# KiCad board Inkplate10_Soldered_panel.kicad_pcb (continued)
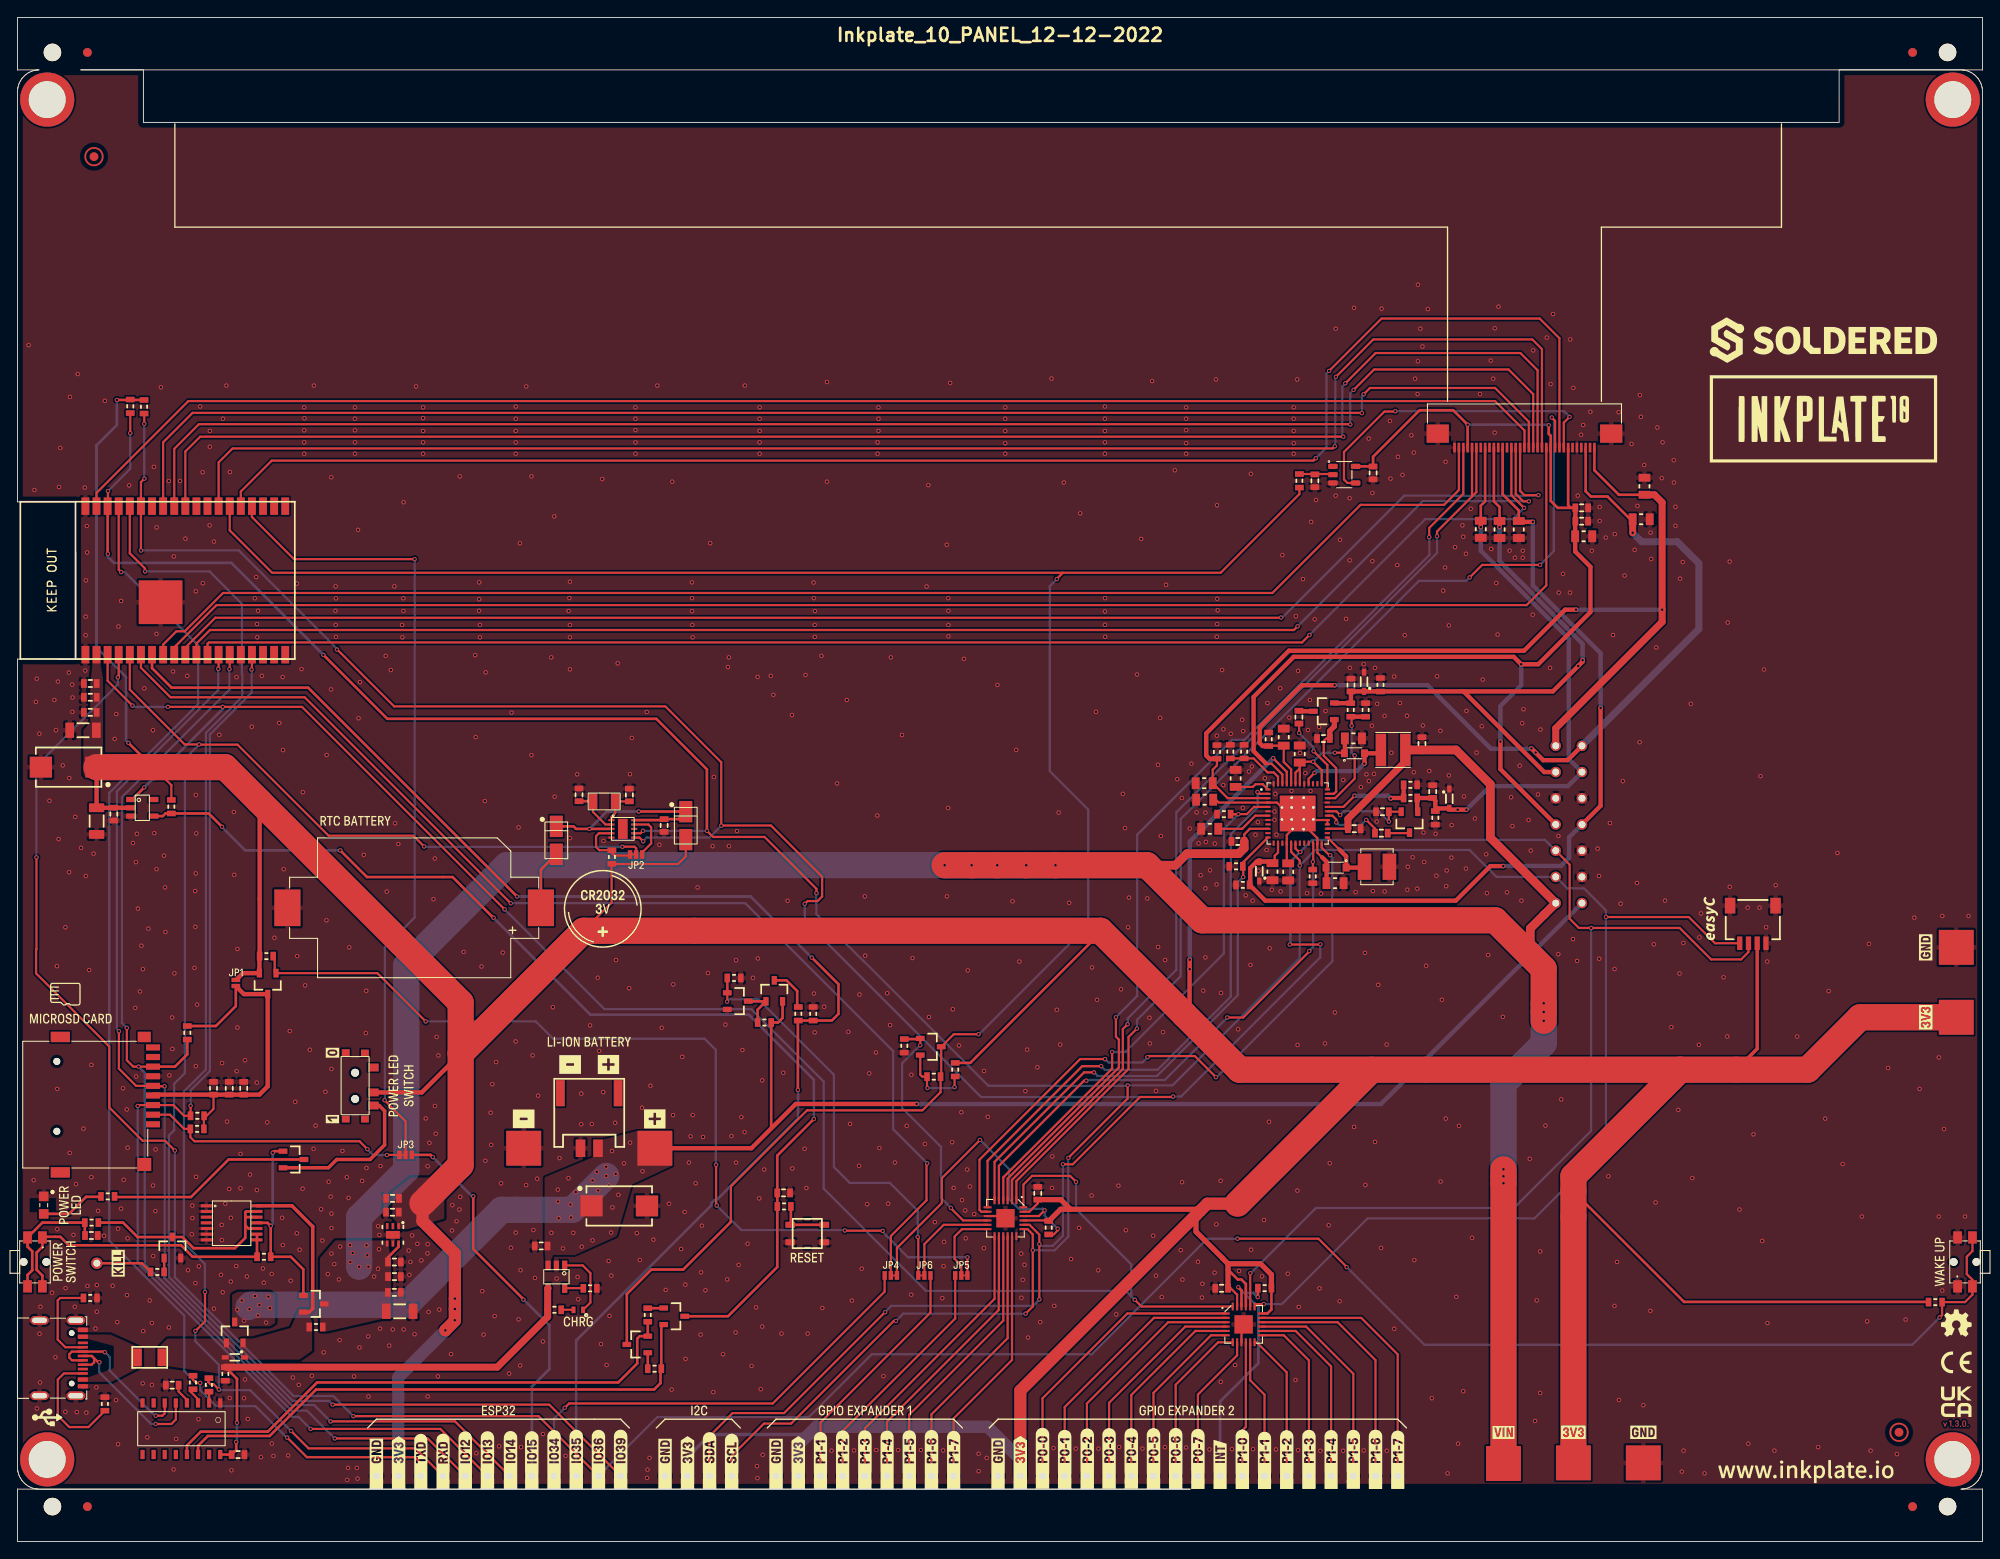
[diagram p0: board, top side]
## Routing (per net, layer and track width the routed paths; a pad name or vN(x,y) marks a point on that pad's centre or on a via; arc(x,y) is an arc through that point) (continued)
Board_0-GPIO15: length 45.5
  Top w0.3: v1(57.88,27.68) 57.88,27.73 52.14,33.47 v1(52.14,39.51) ; v1(47.51,44) 47.26,44.25 JP3.3
  Bottom w0.3: v1(47.51,44) 52,39.51 v1(52.14,39.51) ; K38.1 58.84,17.73 60.85,19.74 60.85,24.76 57.93,27.68 v1(57.88,27.68)
Board_0-GPIO_0: length 255.9
  Top w0.254: U10.25 24.28,115.72 29.13,110.87 119.6,110.87 ; 81.61,36.67 81.61,40.63 90.33,49.35 103.53,49.35 105.6,51.42 R21.1 105.68,53.28 Q1.3 107.11,58.06 v1(109.94,58.06) ; 119.6,110.87 137.65,110.87 146.65,119.88 R46.1 ; 119.6,110.87 118.9,110.18 v1(118.9,110.15)
  Top w0.3: Q3.3 69.71,28.32 72.51,31.13 76.16,31.13 81.61,36.58 81.61,36.67 ; 105.63,53.23 R21.1
  Bottom w0.254: v1(118.9,110.15) 118.09,109.34 118.09,88.17 122.5,83.76 122.5,70.54 110.02,58.06 v1(109.94,58.06)
Board_0-GPIO_0_MOSFET: length 29.2
  Top w0.254: v1(106.78,38.19) 106.78,38.14 108.18,36.75 U9.10 ; v1(103.28,56.8) Q1.1
  Top w0.3: R19.2 103.21,57.5 Q1.1
  Bottom w0.254: v1(103.28,56.8) 101.2,54.72 101.2,49.62 105.65,45.17 105.65,39.32 v1(106.78,38.19)
Board_0-GPIO_36: length 324.9
  Top w0.254: v1(139.57,34.66) 148.83,34.66 152.06,31.43 v1(152.06,31.4) ; K37.1 59.61,14.35 v1(38.43,14.35) ; U10.4 11.58,99 v1(11.47,98.9) ; SW3.2 223.65,33.25 223,32.6 223,30.6 223.65,29.95 SW3.2 223.65,28.25 222.8,27.4 R41.1 220.18,25.92 v1(219.89,25.64) ; v1(18,44.75) 16.88,45.87 14.3,45.87 10.5,49.67 10.5,56.65 2.13,65.02 2.13,67.75 2.17,67.79 v1(2.17,78.3)
  Bottom w0.254: v1(152.06,31.4) 160.94,22.52 216.78,22.52 v1(219.89,25.64) ; v1(11.47,98.9) 11.47,98.07 2.17,88.77 v1(2.17,78.3) ; v1(18,44.75) 18,30.24 31.59,16.65 36.13,16.65 v1(38.43,14.35) ; K37.1 73.21,14.25 90.55,14.25 97.73,21.42 122.89,21.42 136.12,34.66 v1(139.57,34.66)
Board_0-GPIO_39: length 193.4
  Top w0.254: v1(36.06,15.67) 60.83,15.67 K36.1 ; U10.5 12.85,97.5 19.13,91.22 v1(20.78,91.22) 20.8,91.2 25.17,91.2 35.59,80.78 45.29,80.78 v1(46.52,79.55) ; v1(69.2,79.52) 70.59,79.52 70.78,79.33 70.78,78.88
  Bottom w0.254: v1(36.06,15.67) 35.64,16.09 31.51,16.09 17.32,30.28 17.32,46.48 17.93,47.09 17.93,52.39 19.15,53.61 19.15,89.6 v1(20.78,91.22) ; v1(46.52,79.55) 46.56,79.51 69.19,79.51 v1(69.2,79.52)
Board_0-I2C_SCL: length 421.1
  Top w0.254: v1(127,52.2) 127,50.7 120.22,43.92 v1(120.22,43.9) ; v1(142.58,27.17) 141.8,27.17 U11.19 ; v1(91.4,74.2) 91.4,74.7 85.46,80.64 79.57,80.64 v1(78.88,81.33) ; U10.36 10.35,118.54 v1(10.35,120.22) ; U7.7 71.28,81.06 v1(71.56,81.34) ; U1.17 145.71,78.93 146.69,77.95 v1(146.69,77.37) ; v1(100.5,25.25) 100.25,25.25 88.5,13.5 85.4,13.5 81.7,9.8 K6.1 ; U9.19 115.55,35.75 116.15,35.15 v1(116.15,33.32) 116.15,26.9 v1(115.33,26.08) ; K3.1 194.2,68.47 191.21,71.47 181.74,71.47 v1(181.72,71.49) ; R1.1 v1(12.9,126.85)
  Top w0.3: v1(10.34,113.05) 10.31,113.08 U10.36 ; v1(35,101.47) 42.31,94.16 73.09,94.16 78.87,88.38 78.87,81.34 v1(78.88,81.33)
  Bottom w0.254: v1(71.56,81.34) 75.63,81.34 75.64,81.33 v1(78.88,81.33) ; v1(91.4,74.2) 91.4,71.81 96.74,66.47 96.76,66.47 111.07,52.16 126.96,52.16 v1(127,52.2) 132.13,52.2 146.68,66.75 146.68,77.35 v1(146.69,77.37) 148.47,79.15 166.13,79.15 169.21,76.06 K1.6 177.29,74.75 179.2,74.75 181.72,72.23 181.72,45.17 173.53,36.97 154.45,36.97 144.65,27.17 v1(142.58,27.17) ; v1(12.9,126.85) 12.9,122.77 v1(10.35,120.22) ; v1(100.5,25.25) 101.33,26.08 v1(115.33,26.08) ; v1(120.22,43.9) 120.22,34.89 118.65,33.32 v1(116.15,33.32)
  Bottom w0.3: v1(10.34,113.05) 10.34,112.69 11.03,112 24.47,112 v1(35,101.47)
Board_0-I2C_SDA: length 443.4
  Top w0.254: U11.20 141.03,30.69 v1(141.04,30.71) ; v1(146.75,78.92) 146.61,78.92 146.21,79.32 U1.18 ; v1(71.58,80.14) 71.16,80.56 U7.6 ; K1.5 177.57,77.47 177.57,71.28 178.63,70.22 v1(180.03,70.22) 190.16,70.22 193.76,66.62 197.18,66.62 198.03,67.46 K3.2 ; v1(145.55,68.32) 149.03,68.32 v1(149.05,68.35) ; U9.20 115.78,36.25 116.9,35.12 v1(116.9,34.02) v1(116.9,27.7) ; v1(90.06,72.98) 90.38,73.3 91.53,73.3 92.05,73.82 92.05,76.09 86.19,81.95 80.54,81.95 v1(80.52,81.93) 80.51,81.94 80.51,89.19 74.12,95.58 43.09,95.58 36.59,102.08 v1(36.54,102.08) ; v1(14.13,113.42) 14.12,113.43 U10.33 14.12,121.24 v1(14.53,121.65) ; K7.1 79.16,12.06 81.8,14.7 87.7,14.7 v1(99.25,26.25) ; R4.1 14.5,129.07 v1(14.5,127.92) ; v1(119.6,43.17) 120.73,43.17 128.43,50.88 132.16,50.88 v1(132.21,50.93)
  Bottom w0.254: v1(80.52,81.93) 79.16,80.57 72.01,80.57 v1(71.58,80.14) ; v1(36.54,102.08) 36.54,102.21 25.32,113.43 14.15,113.43 14.14,113.42 ; v1(116.9,34.02) 117.08,33.85 118.45,33.85 119.6,35 v1(119.6,43.17) ; v1(141.04,30.71) 141.09,30.71 148.55,38.17 171.2,38.17 180.03,47 v1(180.03,70.22) ; v1(149.05,68.35) 149.05,66.86 133.12,50.93 v1(132.21,50.93) 132.15,50.87 110.25,50.87 90.06,71.06 v1(90.06,72.98) ; v1(14.5,127.92) 14.5,121.67 v1(14.53,121.65) ; v1(116.9,27.7) 116.18,26.98 99.98,26.98 v1(99.25,26.25) ; v1(146.75,78.92) 148.13,80.3 174.74,80.3 K1.5
  Bottom w0.3: v1(146.75,78.92) 145.63,77.79 145.63,68.4 v1(145.55,68.32)
Board_0-INT: length 67.2
  Top w0.254: v1(141.86,85.78) 142.07,85.57 U1.2 ; U9.7 110.98,43.57 121.8,54.4 v1(123.97,54.4)
  Bottom w0.254: v1(141.86,85.78) 141.86,84.02 138.8,80.96 138.8,62.37 130.43,54 124.37,54 v1(123.97,54.4)
Board_0-INTB: length 39.2
  Top w0.254: v1(119,35.8) 119,35.6 118.55,35.14 R47.2 ; U9.22 116.85,37.25 v1(117.5,37.9) ; 100.61,30.33 100.61,33.6 105.75,38.74 105.75,41.6 v1(110.11,45.96)
  Bottom w0.254: v1(119,35.8) 117.5,37.3 v1(117.5,37.9) 117.3,38.1 114.53,38.1 113.46,39.16 113.46,42.64 110.14,45.96 v1(110.11,45.96)
Board_0-IO34: length 134.9
  Top w0.254: v1(104.07,43.28) 103.99,43.2 103.99,39.05 99.91,34.97 99.91,30.33 ; v1(56.43,73.05) 32.85,96.62 17.5,96.62 14.12,100 U10.6
  Bottom w0.254: v1(56.43,73.05) 83.28,73.05 83.28,73.03 100.18,56.13 100.18,47.17 v1(104.07,43.28)
Board_0-MANUAL_RST: length 124.4
  Top w0.3: Q2.3 81.28,25.78 86.92,31.42 86.92,44.17 v1(91.1,48.35) ; v1(36.93,79.1) 39.98,76.05 49.78,76.05 54.43,71.39 v1(54.46,71.39) ; v1(23.4,81.8) 21.88,83.32 R22.1 16.93,83.32 16.63,83.02 U2.4
  Bottom w0.3: v1(54.46,71.39) 54.46,71.37 65.53,60.3 83.65,60.3 91.1,52.85 v1(91.1,48.35) ; v1(23.4,81.8) 23.4,81.75 26.05,79.1 v1(36.93,79.1)
Board_0-Net-(C16-Pad1): length 2.5
  Top w0.254: D6.3 159.2,81.07 C16.1
Board_0-Net-(C17-Pad2): length 1.7
  Top w0.5: D7.3 146.66,95.02 C17.2
Board_0-Net-(C22-Pad2): length 2.4
  Top w0.254: U3.4 19.39,16.21 18.43,17.17 C22.2
Board_0-Net-(C32-Pad2): length 14.8
  Top w0.3: C32.2 7.7,35.04 R39.1 2.85,36.5 SW2.2 1.15,33.75 1.69,33.21 1.69,31.04 1.15,30.5 SW2.2
Board_0-Net-(C40-Pad2): length 3.9
  Top w0.254: R46.2 150.41,122.17 U8.2
Board_0-Net-(D8-Pad1): length 1.4
  Top w0.254: R28.2 63.6,26.52 D8.1
Board_0-Net-(D8-Pad2): length 7.9
  Top w0.254: U4.1 64.66,31.6 65.54,30.72 65.54,27.34 D8.2
Board_0-Net-(D9-Pad1): length 7.4
  Top w0.3: 2.9,37.5 5.9,37.5 7.85,39.45 9.5,39.45 9.52,39.47
Board_0-Net-(D12-Pad1): length 6.8
  Top w0.3: D12.1 59.88,76.89 K10.+
Board_0-Net-(JP2-Pad1): length 7.7
  Top w0.254: U7.4 66.51,81.06 66.19,80.74 66.19,79.49 66.57,79.11 R42.1 68,78.8 68.3,78.5 69.94,78.5 JP2.1
Board_0-Net-(JP3-Pad1): length 30.7
  Top w0.254: JP3.1 42.29,44.25 v1(42.27,44.23) ; K11.2 17.44,48.85 19.07,47.22 R43.1 19.78,46.27 20.24,45.81 39.13,45.81 v1(40.03,44.91)
  Bottom w0.254: v1(40.03,44.91) 40.71,44.23 v1(42.27,44.23)
Board_0-Net-(JP4-Pad3): length 52.1
  Top w0.254: 99.2,30.32 99.2,28.6 86.4,15.8 63.1,15.8 v1(62.6,15.3)
  Bottom w0.254: v1(62.6,15.3) 61.38,14.08 K13.1
Board_0-Net-(JP5-Pad2): length 8.9
  Top w0.254: U9.12 108.05,35.75 107.2,34.9 107.2,32.35 107.98,31.57 JP5.2
Board_0-Net-(JP5-Pad3): length 28.3
  Top w0.254: K18.1 94.4,12.65 107.28,25.52 JP5.3
Board_0-Net-(JP6-Pad2): length 11.7
  Top w0.254: JP6.2 103.75,34.04 105.96,36.25 U9.11
Board_0-Net-(JP6-Pad3): length 28.2
  Top w0.254: JP6.3 104.45,26.2 91.86,13.61 K24.1
Board_0-Net-(K2-PadA5): length 10.8
  Top w0.254: R18.1 4.88,27.87 4.6,27.6 4.6,23.11 5.47,22.24 K2.A5
Board_0-Net-(K2-PadB5): length 14
  Top w0.254: K2.B5 5.31,19.24 4.61,18.54 4.61,14.41 5.93,13.1 8.13,13.1 R17.1
Board_0-Net-(K9-Pad1): length 6.6
  Top w0.3: K9.1 14.23,31.85 R37.2
Board_0-Net-(K28-Pad1): length 33.8
  Top w0.254: U11.1 126.97,26.1 117.26,16.39 117.26,7.53
Board_0-Net-(K29-Pad1): length 30.5
  Top w0.254: U11.2 130.01,25.6 119.8,15.39 119.8,7.53
Board_0-Net-(K30-Pad1): length 28
  Top w0.254: U11.3 131.64,25.1 122.34,15.8 122.34,7.53
Board_0-Net-(K31-Pad1): length 25.3
  Top w0.254: U11.4 133.6,24.6 124.88,15.88 124.88,7.53
Board_0-Net-(K32-Pad1): length 23.1
  Top w0.254: U11.5 134.75,24.1 127.42,16.77 127.42,7.53
Board_0-Net-(K33-Pad1): length 20.5
  Top w0.254: U11.6 136.54,23.6 129.96,17.02 129.96,7.53
Board_0-Net-(K34-Pad1): length 18.9
  Top w0.254: U11.7 137.35,22.8 132.5,17.95 132.5,7.53
Board_0-Net-(K35-Pad1): length 17.1
  Top w0.254: U11.8 139.53,21.3 135.04,16.82 135.04,7.53
Board_0-Net-(K39-Pad1): length 15.4
  Top w0.254: U11.10 140.53,13.12 140.12,12.72 140.12,7.53
Board_0-Net-(K40-Pad1): length 15.9
  Top w0.254: U11.11 141.03,18.44 142.66,16.81 142.66,7.53
Board_0-Net-(K41-Pad1): length 16.9
  Top w0.254: U11.12 141.76,22.8 145.2,19.36 145.2,7.53
Board_0-Net-(K42-Pad1): length 19.8
  Top w0.254: 147.74,7.53 147.74,20.73 144.87,23.6 U11.13
Board_0-Net-(K43-Pad1): length 22.1
  Top w0.254: U11.14 146.22,24.1 150.28,20.04 150.28,7.53
Board_0-Net-(K44-Pad1): length 24.4
  Top w0.254: 152.82,7.53 152.82,19.2 147.42,24.6 U11.15
Board_0-Net-(K45-Pad1): length 28.1
  Top w0.254: U11.16 151.02,25.1 155.36,20.76 155.36,7.53
Board_0-Net-(K46-Pad1): length 31.2
  Top w0.254: U11.17 153.72,25.6 157.9,21.42 157.9,7.53
Board_0-Net-(K49-Pad1): length 29.5
  Top w0.3: v1(141.89,27.97) 141.9,27.98 R48.2 ; v1(139.66,29.1) 140.03,28.73 U11.22
  Bottom w0.3: 140.3,28.46 141.4,28.46 v1(141.89,27.97) ; 140.3,28.46 v1(139.66,29.1) ; 140.3,28.46 141.95,26.81 141.95,20.4 137.58,16.03 137.58,7.53
Board_0-Net-(Q1-Pad2): length 8.8
  Top w0.254: Q1.2 103.28,53.42 103.5,53.2 R21.2 104.05,51.95 v1(104.1,51.9) ; v1(107.2,52) 107.2,53.15 R20.1
  Bottom w0.254: v1(104.1,51.9) 107.1,51.9 v1(107.2,52)
Board_0-Net-(Q2-Pad1): length 1.8
  Top w0.3: R26.1 73.91,26.7 Q2.1
Board_0-Net-(Q3-Pad1): length 1.8
  Top w0.3: R27.1 Q3.1
Board_0-Net-(Q4-Pad3): length 4.9
  Top w0.3: R29.1 84.68,60.87 Q5.1 83.63,61.82 Q4.3
Board_0-Net-(Q5-Pad3): length 5
  Top w0.3: R30.2 89.2,61.3 89.2,63 87.98,64.22 Q5.3
Board_0-Net-(Q6-Pad2): length 18.1
  Top w0.4: S1.3 41.38,49.9 42,49.28 42,45.39 40.34,43.72 36.53,43.72 35.58,42.77 Q6.2
Board_0-Net-(Q6-Pad3): length 23.5
  Top w0.3: R35.1 11.18,39.42 19.85,39.42 24.15,43.72 Q6.3
Board_0-Net-(Q8-Pad1): length 1.6
  Top w0.254: R37.1 Q8.1
Board_0-Net-(Q8-Pad3): length 25.7
  Top w0.3: 26.06,37.22 26.16,37.12 U5.12 ; 26.06,37.22 26.06,37.69 26.15,37.77 U5.13 ; 26.06,37.22 26.06,36.17 ; 26.06,36.17 26.41,35.82 U5.10 ; 26.06,36.17 26.06,34.76 24.87,33.57 20.14,33.57 18.86,34.85 Q8.3 13.73,34.85 12.08,36.5 R39.2
Board_0-Net-(R32-Pad1): length 2.1
  Top w0.254: U4.5 64.71,29 R32.1
Board_0-Net-(R33-Pad1): length 6
  Top w0.3: SW1.2 SW1.2 88.48,36.32 R33.1
Board_0-Net-(R38-Pad1): length 34.5
  Top w0.3: R38.1 20.04,32.59 18.73,33.9 5.88,33.9 4.9,34.87 4.3,34.87 ; U5.9 27.4,32.37 ; 4.3,34.88 2.93,34.88 SW2.1 2.85,33.73 2.19,33.07 2.19,31.1 2.85,30.44 SW2.1
Board_0-PWR_GOOD: length 72.9
  Top w0.254: v1(129.28,55.43) 129.41,55.56 134.69,55.56 v1(137.1,53.15) ; U1.24 149.21,79.42 150.08,78.55 v1(150.18,78.55) ; U9.8 110.25,37.75 110.05,37.95 110.05,43.7 121.57,55.22 124.41,55.22 v1(124.42,55.21)
  Bottom w0.254: v1(124.42,55.21) 124.81,54.82 128.68,54.82 v1(129.28,55.43) ; v1(150.18,78.55) 150.43,78.3 150.43,66.4 137.17,53.15 v1(137.1,53.15)
Board_0-PWRUP: length 63.1
  Top w0.254: U9.5 112.28,43 122.02,52.74 v1(122.27,52.74) ; v1(138.4,59.97) 140.23,59.97 147.78,67.53 v1(147.78,67.58) ; U1.22 148.23,79.9 148.23,77.84 v1(148.19,77.8) 148.19,76.91 R7.1
  Bottom w0.254: v1(148.19,77.8) 148.23,77.76 148.23,68.02 v1(147.78,67.58) ; v1(122.27,52.74) 122.35,52.82 131.25,52.82 v1(138.4,59.97)
Board_0-RST: length 209.2
  Top w0.254: v1(17.2,95.52) v1(23.48,95.52) 32.55,95.52 v1(55.73,72.35) ; v1(121.1,41.17) 120.42,41.85 116.07,41.85 115.08,40.85 U9.24 ; v1(13.15,95.67) 10.31,98.51 U10.3 ; v1(127.82,27.67) 128.59,26.9 U11.24
  Top w0.3: U2.1 13.13,84.92 v1(14.5,86.3)
  Bottom w0.254: v1(13.15,95.67) 13.3,95.52 v1(17.2,95.52) ; v1(55.73,72.35) 67.15,60.92 83.95,60.92 92.23,52.65 92.23,40.4 103.95,28.68 126.81,28.68 v1(127.82,27.67) 127.42,28.07 127.42,31.72 121.1,38.04 v1(121.1,41.17)
  Bottom w0.3: v1(23.48,95.52) 23.48,95.27 v1(14.5,86.3)
Board_0-RXD: length 147.9
  Top w0.254: v1(31.3,12.66) 33.3,10.66 45.54,10.66 45.54,10.64 K17.1 ; v1(14.59,111.03) 14.59,111.36 12.85,113.1 U10.34 ; v1(21.45,28.55) 21.45,25.19 v1(20.36,24.1) ; v1(23.04,17.4) 22.44,18 22.08,18 21.84,18.24 21.84,18.76
  Bottom w0.254: v1(21.45,28.55) 21.43,28.57 21.43,31.78 19.03,34.18 19.03,51.5 21.55,54.02 21.55,92.55 25.73,96.73 25.73,99.21 25.68,99.26 25.68,107.32 21.98,111.02 14.6,111.02 v1(14.59,111.03) ; v1(20.36,24.1) 20.36,22.91 23.04,20.23 v1(23.04,17.4) 23.12,17.32 26.64,17.32 v1(31.3,12.66)
Board_0-SD_ENABLE: length 107.2
  Top w0.254: v1(98.98,35.55) 98.95,35.57 94.68,35.57 v1(94.65,35.6) ; JP5.1 v1(108.68,32.52) ; v1(79.92,43.12) 79.92,38.53 v1(79.99,38.46) ; R40.2 29.43,66.82 29.43,65.2 Q10.1 41.18,65.05 v1(46.7,59.52)
  Bottom w0.254: v1(79.92,43.12) 79.88,43.16 79.88,56.27 78.6,57.55 61.28,57.55 59.3,59.52 v1(46.7,59.52) ; v1(108.68,32.52) 101.88,32.52 98.98,35.42 v1(98.98,35.55) ; v1(79.99,38.46) 82.8,35.65 94.6,35.65 v1(94.65,35.6)
Board_0-SPI_CS: length 92.5
  Top w0.254: U10.23 26.82,117.25 31.64,112.43 v1(45.43,112.43) ; JP3.2 44.4,48.1 v1(42,50.5)
  Bottom w0.254: v1(45.43,112.43) 45.43,71.41 42.02,68 42.02,50.52 v1(42,50.5)
Board_0-SPI_MISO: length 130.8
  Top w0.254: v1(12.51,58.79) 12.51,55.08 13.24,54.35 v1(13.85,54.35) K11.7 ; K26.1 46.92,11.8 v1(36.3,11.8) ; U10.14 24.28,99.88 v1(24.25,99.85)
  Top w0.3: K11.7 18.02,54.35 19.43,55.75 R45.1
  Bottom w0.254: v1(12.51,58.79) 11.95,59.35 11.95,85.19 24.25,97.49 v1(24.25,99.85) ; v1(36.3,11.8) 33.11,14.99 31.33,14.99 14.55,31.77 14.55,53.65 v1(13.85,54.35)
Board_0-SPI_MOSI: length 130.3
  Top w0.254: v1(13.75,49.85) 13.85,49.95 K11.3 17.84,49.95 19.07,48.72 R44.1 v1(19.8,49.87) ; U10.16 26.82,99.84 v1(26.78,99.8) ; v1(33.53,12.89) 48.37,12.89 K27.1
  Bottom w0.254: v1(26.78,99.8) 26.78,97.13 22,92.36 22,53.83 19.8,51.63 v1(19.8,49.87) ; v1(33.53,12.89) 32.15,14.27 31.41,14.27 13.75,31.92 v1(13.75,49.85)
Board_0-SPI_SCK: length 129.2
  Top w0.254: v1(35.81,13.75) 50.05,13.75 K25.1 ; U10.13 23.01,99.91 v1(22.98,99.87) ; v1(16.83,52.1) 15.55,52.1 K11.5 13.57,52.15 11.6,54.12 v1(11.6,58.4)
  Bottom w0.254: v1(35.81,13.75) 33.94,15.62 31.34,15.62 16.83,30.13 v1(16.83,52.1) ; v1(22.98,99.87) 22.98,97.45 11.37,85.85 11.37,58.63 v1(11.6,58.4)
Board_0-SW_IN: length 18
  Top w0.4: U5.14 31.4,38.42 33.78,36.05 33.78,26.65 33.38,26.25 Q9.2
Board_0-SW_OUT_D: length 22.3
  Top w0.3: v1(29.2,44.5) 29.38,44.67 Q6.1 ; Q9.1 32.7,31.15 31.26,32.59 R38.2 v1(28.97,36.12) 28.62,36.47 U5.11
  Bottom w0.3: v1(29.2,44.5) 29.2,36.36 v1(28.97,36.12)
Board_0-TXD: length 145.6
  Top w0.254: U10.35 11.58,111.24 v1(11.87,110.95) ; K16.1 46.14,8.95 45.44,9.65 33.1,9.65 v1(30.85,11.9) ; v1(20.9,18.15) 20.45,18.15 20.08,18.52 R23.2
  Bottom w0.254: v1(30.85,11.9) 30.81,11.9 27.22,15.49 22.74,15.49 20.9,17.33 v1(20.9,18.15) 20.45,18.15 19.09,19.51 19.09,25.83 10.5,34.42 10.5,85.67 20.68,95.85 20.68,102.55 12.28,110.95 v1(11.87,110.95)
Board_0-V_BAT: length 166.2
  Top w0.3: U10.7 15.39,99.96 17.63,97.72 33.25,97.72 v1(57.15,73.82) ; v1(90.88,66.82) 93.92,63.78 93.92,60.39 93.16,59.62 R31.2 R30.1 89.28,59.57 v1(89.28,51.67)
  Bottom w0.3: v1(90.88,66.82) 83.88,73.82 v1(57.15,73.82) ; K14.1 63.92,23.02 79.39,38.49 79.39,38.71 79.74,39.06 79.96,39.06 89.3,48.4 89.3,51.65 v1(89.28,51.67)
Board_0-V_BAT_MOS: length 48.3
  Top w0.254: JP6.1 103.05,34.79 v1(102.98,34.86) ; v1(81.18,61.79) 81.2,61.81 Q4.1
  Top w0.3: Q4.1 R25.2
  Bottom w0.254: v1(81.18,61.79) 81.44,62.05 84.78,62.05 93.4,53.42 93.4,42.85 95.2,41.05 99.8,41.05 102.98,37.87 v1(102.98,34.86)
Board_0-VBAT: length 180.4
  Top w0.3: Q5.2 87.53,59.92 87,59.4 R29.2 86.23,47.24 86.22,47.24
  Top w0.5: v1(102.86,50.09) 102.85,50.08 89.03,50.08 83.96,45.01 PAD1.1
  Bottom w0.5: v1(102.86,50.09) 102.88,50.07 155.98,50.07 K1.8
  Bottom w3: v1(67.36,41.84) 63.49,37.97 55.38,37.97 44.51,27.1 26.69,27.1 26.43,26.84
  vias: v1(25.15,26.54) v1(25.65,27.59) v1(25.91,25.28) v1(26.54,26.6) v1(27.16,28.1) v1(27.5,25.87) v1(27.68,27.07) v1(28.44,25.06) v1(28.71,28.02) v1(28.87,26.71) v1(61.08,35.33) v1(61.81,40.27) v1(61.84,38.91) v1(61.91,36.99) v1(62.4,33.54) v1(63.03,41.58) v1(63.26,38.57) v1(63.33,37.09) v1(63.58,35.33) v1(63.86,40) v1(64.55,33.74) v1(65.79,41.32) v1(65.78,34.47) v1(66.27,42.32) v1(66.44,40.18) v1(67.35,42.9) v1(67.67,40.75) v1(67.91,35.36) v1(68.01,44.69) v1(68.06,38.24) v1(68.43,42.08) v1(68.74,39.68) v1(69.38,43.28) v1(70.08,45.65) v1(71.5,42.37)
Board_0-VCOM: length 100.6
  Top w0.254: 143.83,77.83 143.83,78.47 144.21,78.85 U1.14
  Top w0.3: K12.22 169.9,119.85 171.75,118 C56.2
  Top w0.5: v1(181.11,95.4) 181.11,84.2 K1.11 ; v1(173.35,116.7) 171.85,116.7 C56.2 ; v1(169.98,77.3) 168.5,77.3 164.55,73.35 142.75,73.35 R11.2 141.03,75.22 141.03,77.07 141.78,77.82 143.82,77.82 143.83,77.83
  Bottom w0.5: v1(169.98,77.3) 170,77.32 176.58,77.32 177.5,78.25 177.5,80.59 K1.11 ; v1(173.35,116.7) 173.35,109.42 181.11,101.66 v1(181.11,95.4)
Board_0-VCOM_CTRL: length 60
  Top w0.254: v1(123.15,53.69) 122.02,53.69 111.78,43.45 U9.6 ; U1.12 140.23,77.74 v1(140.23,76.05)
  Bottom w0.254: v1(140.23,76.05) 139.6,75.42 139.6,62.52 130.35,53.27 123.57,53.27 v1(123.15,53.69)
Board_0-VDDH: length 75.1
  Top w0.3: C52.2 169.55,118.4 168.9,119.05 K12.24
  Top w0.5: 165.43,97.29 174.66,88.06 K1.2 ; 165.43,97.29 175.65,97.29 v1(178.55,100.2) 179.05,100.7 v1(179.05,100.87) ; 165.43,97.29 C14.2 152.55,95.97 R13.2 150.68,95.95 D7.2 ; v1(169.55,116.1) C52.2
  Bottom w0.5: v1(178.55,100.2) 179.05,100.7 v1(179.05,100.87) 179.05,102.74 169.55,112.24 v1(169.55,116.1)
Board_0-VEE: length 66.9
  Top w0.3: C53.2 167.4,118.55 167.9,119.05 K12.26
  Top w0.5: D6.1 160.13,83.6 R15.2 160.13,85.09 C15.2 162.2,84.79 R12.2 162.5,83.9 163.78,83.9 D5.1 163.97,83.76 v1(164.76,83.76) v1(165.76,83.76) ; v1(167.4,116.1) C53.2
  Bottom w0.5: v1(164.76,83.76) v1(165.76,83.76) 168.45,86.45 177.36,86.45 K1.13 177.45,89.59 177.45,103.35 167.4,113.4 v1(167.4,116.1)
Board_0-VIN: length 319.7
  Top w0.254: C5.2 140.34,80.93 140.99,81.57 U1.10 ; U1.27 149.86,81.58 C8.2
  Top w0.3: U6.6 43.6,33.74 42.39,32.53 C30.2
  Top w0.8: C8.2 152.2,82.71 158.78,89.28 L2.1
  Top w1: L2.1 158.78,90.59 C10.2 164.57,90.59 168.5,86.66 168.5,80.54 K1.7 174.66,71.75 174.65,71.75 173.07,70.17 173.07,67.08 ; 129.23,77.4 132.46,77.4 133.79,78.73 139.72,78.73 140.34,79.35 C5.2
  Top w3: 170,9 v1(170,41) v1(170,41.8) v1(170,42.6) ; v1(106.06,77.4) v1(109.15,77.4) v1(112.09,77.4) v1(115.4,77.4) v1(118.75,77.4) 129.23,77.4 135.53,71.1 169.05,71.1 174.6,65.55 v1(174.6,61.6) v1(174.6,60.6) v1(174.6,59.6)
  Bottom w3: v1(170,41) v1(170,41.8) v1(170,42.6) 170,52.4 174.6,57 v1(174.6,59.6) v1(174.6,60.6) v1(174.6,61.6) ; v1(118.75,77.4) v1(115.4,77.4) v1(112.09,77.4) v1(109.15,77.4) v1(106.06,77.4) 55.95,77.4 44.48,65.92 44.48,42.5 39.08,37.1 v1(39.08,31.45)
  vias: v1(35.5,30.6) v1(35.91,32.96) v1(36.24,31.75) v1(36.77,29.99) v1(36.92,33.76) v1(38.05,33.93) v1(38.08,31.98) v1(38.34,33.02) v1(39.93,33.9) v1(40.02,32.76) v1(40.15,31.46) v1(40.8,30.32) v1(41.25,31.22) v1(41.35,33.45)
Board_0-VNEG: length 116.7
  Top w0.254: U1.3 138.45,85.07 C2.2 136.74,88.34 137.22,88.83 R8.1
  Top w0.3: C51.2 183.2,119.8 180.4,122.6 K12.1
  Top w0.5: v1(178.3,106.65) 177.05,106.65 172.35,101.95 145.45,101.95 135.99,92.49 135.99,89.96 136.36,89.59 R8.1
  Top w0.8: C51.2 187.28,119.8 188.15,118.92 v1(188.15,106.65) 188.15,105.25 175.98,93.07 K1.1
  Bottom w0.5: v1(188.15,106.65) v1(178.3,106.65)
Board_0-VPOS: length 101.9
  Top w0.254: U1.44 145.71,88.38 144.86,89.22 C13.2 143.18,91.08 R9.1 ; 184.5,117 C54.2
  Top w0.3: 184.5,117 181.9,119.6 180,119.6 179.4,120.2 K12.3
  Top w0.5: v1(173.2,90.77) v1(173.68,90.3) 174.55,89.42 177.34,89.42 K1.14 ; R9.1 142.45,91.04 142.11,91.38 142.11,93.2 146.91,98 v1(150.68,98)
  Top w0.8: v1(184.78,115.45) C54.2
  Bottom w0.5: v1(150.68,98) 161.3,98 168.58,90.72 173.15,90.72 v1(173.2,90.77) v1(173.68,90.3)
  Bottom w0.8: v1(184.78,115.45) 185.8,114.42 189.88,114.42 192.35,111.95 192.35,104.44 K1.14
Board_0-VUSB: length 54.7
  Top w0.3: U3.16 23.21,9.95 C20.2 25.03,10.47 v1(25.03,11.4) ; R36.2 25.11,18.62 v1(25.11,13.6)
  Top w0.8: R36.2 54.89,19.95 60.65,25.72 R28.1 60.65,28.95 U4.4
  Bottom w0.3: v1(25.03,11.4) 25.1,11.47 25.1,13.59 v1(25.11,13.6)
Board_0-WAKEUP: length 61.7
  Top w0.254: v1(125.23,56.02) 125.23,54.12 112.78,41.67 U9.4 ; v1(139.67,83.24) 138.79,83.24 R5.1 140.64,83.25 141.47,84.07 U1.5
  Bottom w0.254: v1(139.67,83.24) 138,81.57 138,67.27 126.75,56.02 v1(125.23,56.02)

## Copper pours and planes (outline as drawn; the poured copper is in the pictures)
Board_0-3V3 on Top: 48.38,41.66 48.83,40.97 48.83,36.95 44.59,35.74 43.44,35.74 43.44,36.44 42.89,37.09 42.89,40.03 44.98,41.66
Board_0-3V3 on Top: 9.49,100.5 9.78,98.82 9.78,87.7 8.65,87.23 7.54,87.72 7.54,92.87 8.33,93.76 8.33,94.9 8.33,98.2 8.59,100.5 8.59,102.5 9.49,102.5
Board_0-GND on Top, Bottom: 224.8,6 0,6 0,168.4 224.8,168.4
Board_0-Net-(F1-Pad2) on Top: 14.23,22.07 14.23,20.07 10.78,18.27 6.9,18.28 6.9,18.79 8.05,18.79 11.01,19.84 11.01,22.38 8.05,23.18 6.9,23.18 6.9,23.69 10.64,23.69
Board_0-SW_IN on Top: 33.22,26.54 33.7,25.05 33.7,21.82 32.28,20.82 25.57,20.82 25.57,21.33 25.5,22.22 25.5,23.23 26.9,23.23 31.25,24.45 32.2,26.55
Board_0-VBAT on Top, Bottom: 74.91,43.01 70.31,40.86 68.56,34.94 63.76,32.78 61.29,32.79 61,32.15 61,31.05 60.4,31.05 60.4,32.15 60.3,33.32 60.3,41.69 65.86,44 65.86,46.01 66.96,46.01 70.91,47.01 74.91,47.01
Board_0-VBAT on Top, Bottom: 29.49,25 28.88,24.63 25.15,24.62 24.55,24.62 24.55,28.25 25.21,28.59 28.87,28.58 29.49,28.2
Board_0-VIN on Top: 42.45,33.75 42.73,32.49 42.73,32.29 42.71,25.48 41.7,25.47 35.45,24.05 34.6,24.05 34.6,32.42 36.35,34.46 42.45,34.46
Board_0-VIN on Bottom: 42.45,33.76 42.73,32.49 42.73,30.21 41.52,29.53 35.75,29.53 34.59,30.27 34.6,32.42 36.35,34.46 42.45,34.46
Board_0-VUSB on Top: 24.87,22.78 24.88,21.08 24.88,20.28 24.88,19.67 24.26,19.17 23.28,19.18 17.19,20.07 16.02,20.07 16.02,22.08 17.15,23.23 24.2,23.23

## Text on the board
F.Silkscreen: Inkplate_10_PANEL_12-12-2022
User.8: V-CUT
